# Altium PCB MiniPC.PcbDoc (part 17 of 23)
Units mm, origin at the board's own origin, x right, y up, seen from the top; angles counter-clockwise.
Board outline 175 x 155 mm, 16 copper layers (1_Top, 2_int1_(gnd), 3_int2_(power), 4_int3_(gnd), 5_int4_(sign), 6_int5_(power), 7_int6_(sign), 8_int7_(power), 9_int8_(gnd), 10_int9_(sign), 11_int10_(gnd), 12_int11_(sign), 13_int12_(gnd), 14_int13_(power), 15_int14_(gnd), 16_Bottom), stack 2.008 mm thick; 1046 components, 841 nets, 6010 pads, 4016 vias.
Unrouted connection lines stored in the file: 602.
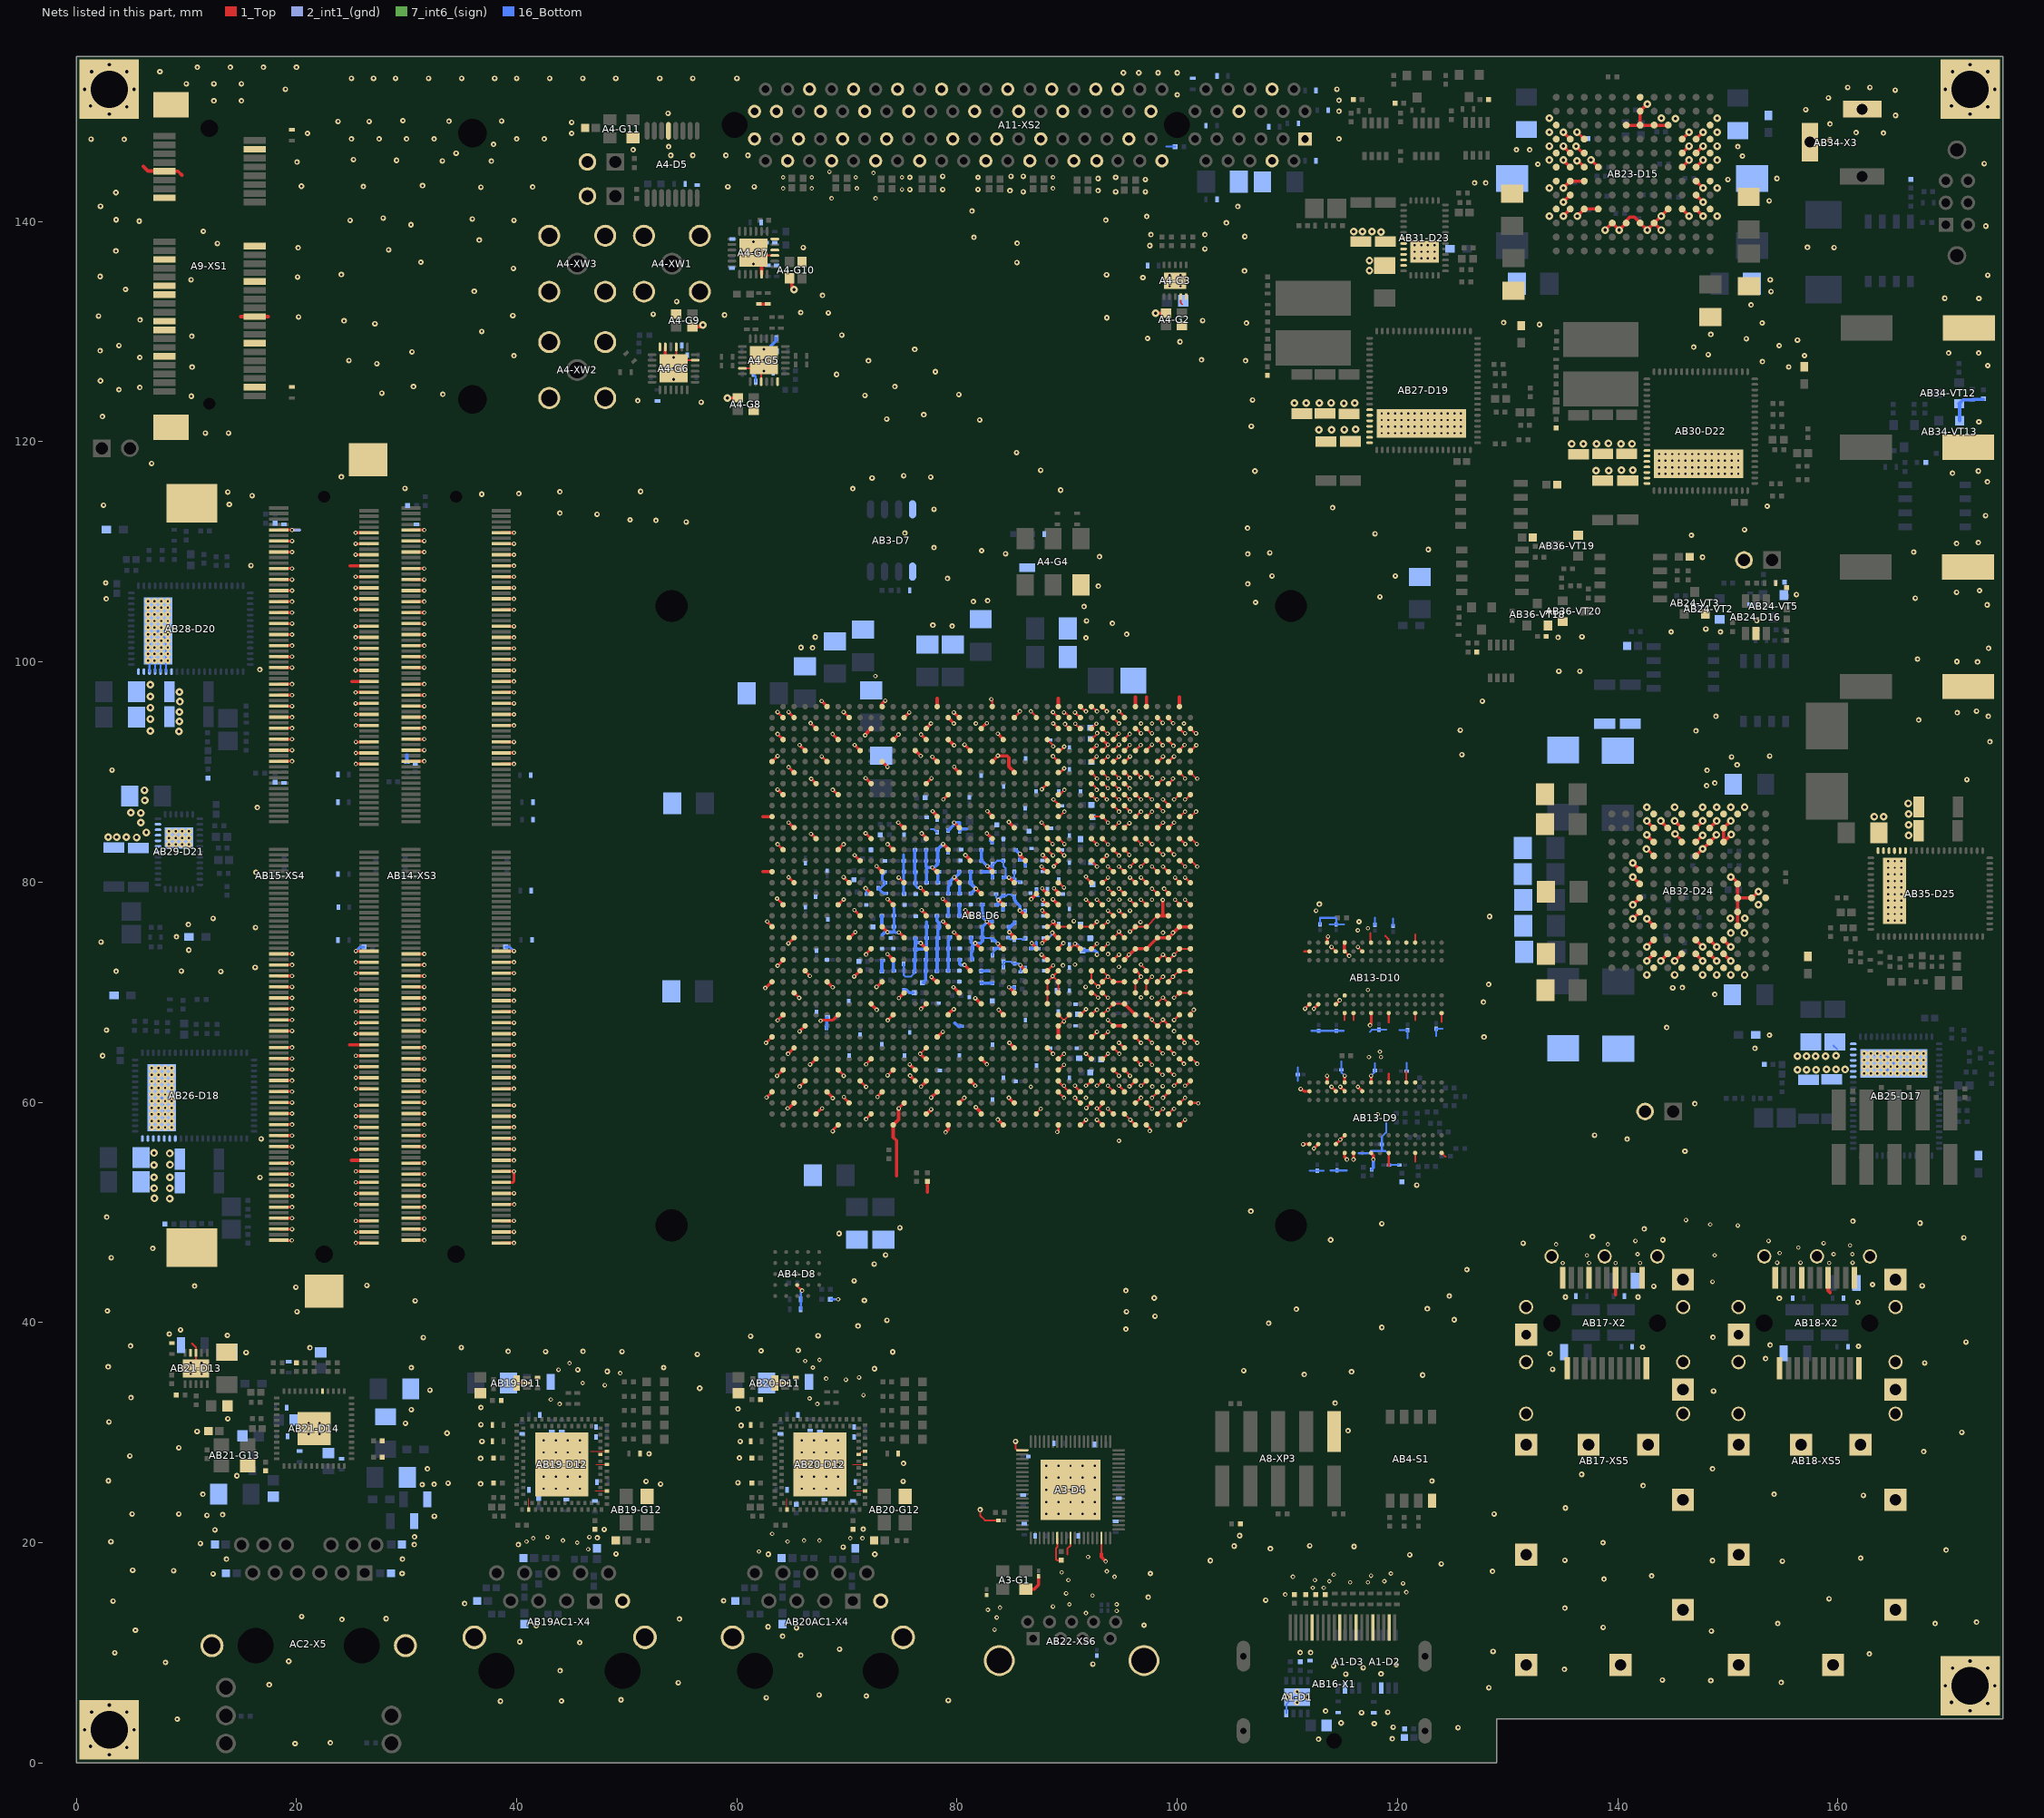
[diagram p31: the nets of this part, all layers, seen from the top]

## Via types
v1: diameter 0.4, hole 0.2, 1_Top to 16_Bottom, tented both sides, 1658 vias
v2: diameter 0.7, hole 0.3, 1_Top to 16_Bottom, tented both sides, 915 vias
v3: diameter 0.5, hole 0.2, 1_Top to 16_Bottom, tented both sides, 854 vias
v4: diameter 0.6, hole 0.2, 1_Top to 16_Bottom, 278 vias
v5: diameter 0.5, hole 0.2, 1_Top to 16_Bottom, 162 vias
v6: diameter 0.4, hole 0.2, 1_Top to 16_Bottom, 100 vias
v7: diameter 0.4/0/0/0/0/0/0/0/0/0/0/0/0/0/0/0.4 (per signal layer), hole 0.2, 1_Top to 16_Bottom, tented both sides, 18 vias
v8: diameter 0.4/0/0/0/0/0/0/0/0/0/0/0.4/0.4/0.4/0.4/0.4 (per signal layer), hole 0.2, 1_Top to 16_Bottom, tented both sides, 16 vias
v9: diameter 0.5, hole 0.254, 1_Top to 16_Bottom, 15 vias

## Nets (pads, with @x,y where several pads share a name; then routed paths per layer and width w, separated by ;. In a path a pad name is that pad's centre, name@x,y a point inside that pad or via, vN(x,y) a via of type N, cw(c..) or ccw(c..) an arc to the next point about the centre after c; other vN are vias at no path point) (continued)
GND: A1-C1.2 A1-C10.1 A1-C11.1 A1-C12.1 A1-C13.1 A1-D1.8 A1-D1.9 A1-D2.7 A1-D3.7 A1-R1.2 A1-R3.1 A1-R4.1 A1-R5.1 A1-R6.1 A1-R7.1 A3-C16.1 A3-C17.1 A3-C18.1 A3-C19.1 A3-C20.1 A3-C21.1 A3-C22.1 A3-C23.1 A3-C24.1 A3-C25.1 A3-C26.1 A3-C27.1 A3-C28.2 A3-D4.1 A3-D4.26 A3-D4.29 A3-D4.36 A3-D4.77 A3-G1.2 A3-R8.2 A4-C29.1 A4-C30.2 A4-C31.2 A4-C32.1 A4-C33.1 A4-C34.2 A4-C35.2 A4-C36.1 A4-C37.1 A4-C38.1 A4-C39.2 A4-C40.2 A4-C41.1 A4-C42.1 A4-C43.2 A4-C44.2 A4-C45.1 A4-C46.1 A4-C47.2 A4-C48.2 A4-C49.1 A4-C50.1 A4-C51.2 A4-C52.2 A4-C53.1 A4-C56.1 A4-C67.1 A4-C68.1 A4-D5.5 A4-G2.2 A4-G2.4 A4-G3.4 A4-G3.5 A4-G3.11 A4-G4.3 A4-G5.3 A4-G5.6 A4-G5.23 A4-G5.25 A4-G6.3 A4-G6.5 A4-G6.6 A4-G6.23 A4-G6.25 A4-G7.3 A4-G7.4 A4-G7.6 A4-G7.23 A4-G7.25 A4-G8.2 A4-G8.4 A4-G9.2 A4-G9.4 A4-G10.2 A4-G10.4 A4-G11.2 A4-XP1.2 A4-XP2.2 A4-XW1.2 A4-XW1.3 A4-XW1.4 A4-XW1.5 A4-XW2.2 A4-XW2.3 A4-XW2.4 A4-XW2.5 A4-XW3.2 A4-XW3.3 A4-XW3.4 A4-XW3.5 A8-R22.1 A8-XP3.10 A9-C69.1 A9-C70.2 A9-XS1.4 A9-XS1.9 A9-XS1.15 A9-XS1.18 A9-XS1.21 A9-XS1.26 A9-XS1.27 A9-XS1.29 A9-XS1.34 A9-XS1.35 A9-XS1.37 A9-XS1.40 A9-XS1.43 A9-XS1.50 A9-XS1.MP1 A9-XS1.MP2 A11-C71.1 A11-C72.1 A11-C73.1 A11-C74.1 A11-C75.1 A11-C76.1 A11-C77.1 A11-C78.1 A11-C79.1 A11-C80.1 A11-C81.1 A11-R23.2 A11-XS2.A1 A11-XS2.A4 A11-XS2.A12 A11-XS2.A15 A11-XS2.A18 A11-XS2.A20 A11-XS2.A23 A11-XS2.A24 A11-XS2.A27 A11-XS2.A28 A11-XS2.A31 A11-XS2.A34 A11-XS2.A37 A11-XS2.A38 A11-XS2.A41 A11-XS2.A42 A11-XS2.A45 A11-XS2.A46 A11-XS2.A49 A11-XS2.B4 A11-XS2.B7 A11-XS2.B13 A11-XS2.B16 A11-XS2.B18 A11-XS2.B21 A11-XS2.B22 A11-XS2.B25 A11-XS2.B26 A11-XS2.B29 A11-XS2.B32 A11-XS2.B35 A11-XS2.B36 A11-XS2.B39 A11-XS2.B40 A11-XS2.B43 A11-XS2.B44 A11-XS2.B47 A11-XS2.B49 AB1-C98.1 AB1-C99.1 AB1-C100.1 AB1-C101.1 AB1-C102.1 AB1-C103.1 AB1-C104.1 AB1-C105.1 AB1-C106.1 AB1-C107.1 AB1-C108.1 AB1-C109.1 AB1-C110.1 AB1-C111.1 AB1-C112.1 AB1-C113.1 AB1-C114.1 AB1-C115.1 AB1-C116.1 AB1-C117.1 AB1-C118.1 AB1-C119.1 AB1-C120.1 AB1-C121.1 AB1-C122.1 AB1-C123.1 AB1-C124.1 AB1-C125.1 AB1-C126.1 AB1-C127.1 AB1-C128.1 AB1-C129.1 AB1-C130.1 AB1-C131.1 AB1-C132.1 AB1-C133.1 AB1-C134.1 AB1-C135.1 AB1-C136.1 AB1-C137.1 AB1-C138.1 AB1-C139.1 AB1-C140.1 AB1-C141.1 AB1-C142.1 AB1-C143.1 AB1-C144.1 AB1-C145.1 AB1-C146.1 AB1-C147.1 AB1-C148.1 AB1-C149.1 AB1-C150.1 AB1-C151.1 AB1-C152.1 AB1-C153.1 AB1-C154.1 AB1-C155.1 AB1-C156.1 AB1-C157.1 AB1-C158.1 AB1-C159.1 AB1-C160.1 AB1-C161.1 AB1-C162.1 AB1-C163.1 AB1-C164.1 AB1-C165.1 AB1-C166.1 AB1-C167.1 AB1-C168.1 AB1-C169.1 AB1-C170.1 AB1-C171.1 AB1-C172.1 AB1-C173.1 AB1-C174.1 AB1-C175.1 AB1-C176.1 AB1-C177.1 AB1-C178.1 AB1-C179.1 AB1-C180.1 AB1-C181.1 AB1-C182.1 AB1-C183.1 AB1-C184.1 AB1-C185.1 AB1-C186.1 AB1-C187.1 AB1-C188.1 AB1-C189.1 AB1-C190.1 AB1-C191.1 AB1-C192.1 AB1-C193.1 AB1-C194.1 AB1-C195.1 AB1-C196.1 AB1-C197.1 AB1-C198.1 AB1-C199.1 AB1-C200.1 AB1-C201.1 AB1-C202.1 AB1-C203.1 AB1-C204.1 AB1-C205.1 AB1-C206.1 AB1-C207.1 AB1-C208.1 AB1-C209.1 AB1-C210.1 AB1-C211.1 AB1-C212.1 AB1-C213.1 AB1-C214.1 AB1-C215.1 AB1-C216.1 AB1-C217.1 AB1-C218.1 AB1-C219.1 AB1-C220.1 AB1-C221.1 AB1-C222.1 AB1-C223.1 AB1-C224.1 AB1-C225.1 AB1-C226.1 AB1-C227.1 AB1-C228.1 AB1-C229.1 AB2-C230.2 AB2-C231.1 AB2-C232.1 AB2-C233.1 AB2-C234.1 AB2-C235.1 AB2-C236.1 AB2-C237.1 AB2-C238.1 AB2-C239.1 AB2-C240.1 AB2-C241.1 AB2-C242.1 AB2-C243.1 AB2-C244.1 AB2-C245.1 AB2-C246.1 AB2-C247.1 AB2-C248.1 AB2-C249.1 AB2-C250.1 AB2-C251.1 AB2-C252.1 AB2-C253.1 AB2-C254.1 AB2-C255.1 AB2-C256.1 AB2-C257.1 AB2-C258.1 AB2-C259.1 AB2-C260.1 AB2-C261.1 AB2-C262.1 AB2-C263.1 AB2-C264.1 AB2-C265.1 AB2-C266.1 AB2-C267.1 AB2-C268.1 AB2-C269.1 AB2-C270.1 AB2-C271.1 AB2-C272.1 AB2-C273.1 AB2-C274.1 AB2-C275.1 AB2-C276.1 AB2-C277.1 AB2-C278.1 AB2-C279.1 AB2-C280.1 AB2-C281.1 AB2-C282.1 AB2-C283.1 AB2-C284.1 AB2-C285.1 AB2-C286.1 AB2-C287.1 AB2-C288.1 AB2-C289.1 AB2-C290.1 AB2-C291.1 AB2-C292.1 AB2-C293.1 AB2-C294.1 AB2-C295.1 AB2-C296.1 AB2-C297.1 AB2-C298.1 AB2-C299.1 AB2-C300.1 AB2-C301.1 AB2-C302.1 AB2-C303.1 AB2-C304.1 AB2-C305.1 AB2-C306.1 AB2-C307.1 AB2-C308.1 AB2-C309.1 AB2-C310.1 AB2-C311.1 AB2-C312.1 AB2-C313.1 AB2-C314.1 AB2-C315.1 AB2-C316.1 AB2-C317.1 AB2-C318.1 AB2-C319.1 AB2-C320.1 AB3-C321.1 AB3-C322.1 AB3-C323.1 AB3-C324.1 AB3-C325.1 AB3-C326.1 AB3-C327.1 AB3-C328.1 AB3-C329.1 AB3-C330.1 AB3-C331.1 AB3-C332.1 AB3-C333.1 AB3-C334.1 AB3-D7.4 AB3-D7.5 AB3-R27.1 AB3-R29.2 AB3-R31.2 AB3-R33.2 AB3-R35.2 AB3-R37.2 AB3-R39.2 AB3-R41.2 AB3-R43.2 AB3-R46.2 AB3-R48.2 AB4-C335.1 AB4-C336.1 AB4-D8.B3 AB4-R54.1 AB4-R55.1 AB4-S1.8 AB7-R63.1 AB8-D6.A6 AB8-D6.A11 AB8-D6.A16 AB8-D6.A21 AB8-D6.A27 AB8-D6.A29 AB8-D6.A30 AB8-D6.A31 AB8-D6.A34 AB8-D6.A35 AB8-D6.A38 AB8-D6.AA1 AB8-D6.AA11 AB8-D6.AA17 AB8-D6.AA21 AB8-D6.AA26 AB8-D6.AA27 AB8-D6.AA28 AB8-D6.AA29 AB8-D6.AA30 AB8-D6.AA31 AB8-D6.AA34 AB8-D6.AA35 AB8-D6.AA38 AB8-D6.AA39 AB8-D6.AB3 AB8-D6.AB8 AB8-D6.AB13 AB8-D6.AB18 AB8-D6.AB23 AB8-D6.AB26 AB8-D6.AB27 AB8-D6.AB32 AB8-D6.AB33 AB8-D6.AB36 AB8-D6.AB37 AB8-D6.AC10 AB8-D6.AC15 AB8-D6.AC20 AB8-D6.AC22 AB8-D6.AC25 AB8-D6.AC27 AB8-D6.AC28 AB8-D6.AC29 AB8-D6.AC30 AB8-D6.AC31 AB8-D6.AC34 AB8-D6.AC35 AB8-D6.AC38 AB8-D6.AC39 AB8-D6.AD2 AB8-D6.AD12 AB8-D6.AD26 AB8-D6.AD32 AB8-D6.AD33 AB8-D6.AD36 AB8-D6.AD37 AB8-D6.AE4 AB8-D6.AE9 AB8-D6.AE19 AB8-D6.AE24 AB8-D6.AE26 AB8-D6.AE27 AB8-D6.AE30 AB8-D6.AE31 AB8-D6.AE34 AB8-D6.AE35 AB8-D6.AE38 AB8-D6.AE39 AB8-D6.AF1 AB8-D6.AF6 AB8-D6.AF11 AB8-D6.AF16 AB8-D6.AF26 AB8-D6.AF27 AB8-D6.AF30 AB8-D6.AF31 AB8-D6.AF32 AB8-D6.AF33 AB8-D6.AF34 AB8-D6.AF35 AB8-D6.AF36 AB8-D6.AF37 AB8-D6.AG3 AB8-D6.AG13 AB8-D6.AG18 AB8-D6.AG23 AB8-D6.AG26 AB8-D6.AG27 AB8-D6.AG30 AB8-D6.AG31 AB8-D6.AG34 AB8-D6.AG35 AB8-D6.AG38 AB8-D6.AG39 AB8-D6.AH10 AB8-D6.AH15 AB8-D6.AH20 AB8-D6.AH26 AB8-D6.AH32 AB8-D6.AH33 AB8-D6.AH36 AB8-D6.AH37 AB8-D6.AJ2 AB8-D6.AJ7 AB8-D6.AJ12 AB8-D6.AJ17 AB8-D6.AJ22 AB8-D6.AJ27 AB8-D6.AJ28 AB8-D6.AJ29 AB8-D6.AJ30 AB8-D6.AJ31 AB8-D6.AJ34 AB8-D6.AJ35 AB8-D6.AJ38 AB8-D6.AJ39 AB8-D6.AK4 AB8-D6.AK27 AB8-D6.AK32 AB8-D6.AK33 AB8-D6.AK36 AB8-D6.AK37 AB8-D6.AL1 AB8-D6.AL16 AB8-D6.AL27 AB8-D6.AL30 AB8-D6.AL31 AB8-D6.AL34 AB8-D6.AL35 AB8-D6.AL38 AB8-D6.AL39 AB8-D6.AM3 AB8-D6.AM15 AB8-D6.AM23 AB8-D6.AM26 AB8-D6.AM32 AB8-D6.AM33 AB8-D6.AM36 AB8-D6.AM37 AB8-D6.AN5 AB8-D6.AN10 AB8-D6.AN15 AB8-D6.AN20 AB8-D6.AN27 AB8-D6.AN30 AB8-D6.AN31 AB8-D6.AN34 AB8-D6.AN35 AB8-D6.AN38 AB8-D6.AN39 AB8-D6.AP2 AB8-D6.AP7 AB8-D6.AP12 AB8-D6.AP14 AB8-D6.AP27 AB8-D6.AP32 AB8-D6.AP33 AB8-D6.AP36 AB8-D6.AP37 AB8-D6.AR4 AB8-D6.AR9 AB8-D6.AR14 AB8-D6.AR15 AB8-D6.AR19 AB8-D6.AR27 AB8-D6.AR30 AB8-D6.AR31 AB8-D6.AR34 AB8-D6.AR35 AB8-D6.AR38 AB8-D6.AR39 AB8-D6.AT1 AB8-D6.AT6 AB8-D6.AT11 AB8-D6.AT16 AB8-D6.AT27 AB8-D6.AT28 AB8-D6.AT29 AB8-D6.AT32 AB8-D6.AT33 AB8-D6.AT36 AB8-D6.AT37 AB8-D6.AU3 AB8-D6.AU8 AB8-D6.AU13 AB8-D6.AU18 AB8-D6.AU23 AB8-D6.AU29 AB8-D6.AU30 AB8-D6.AU31 AB8-D6.AU34 AB8-D6.AU35 AB8-D6.AU38 AB8-D6.AU39 AB8-D6.AV5 AB8-D6.AV10 AB8-D6.AV15 AB8-D6.AV20 AB8-D6.AV25 AB8-D6.AV31 AB8-D6.AV32 AB8-D6.AV33 AB8-D6.AV36 AB8-D6.AV37 AB8-D6.AW7 AB8-D6.AW12 AB8-D6.AW17 AB8-D6.AW22 AB8-D6.AW27 AB8-D6.AW29 AB8-D6.AW31 AB8-D6.AW34 AB8-D6.AW35 AB8-D6.AW38 AB8-D6.B2 AB8-D6.B3 AB8-D6.B8 AB8-D6.B13 AB8-D6.B17 AB8-D6.B18 AB8-D6.B23 AB8-D6.B25 AB8-D6.B27 AB8-D6.B28 AB8-D6.B29 AB8-D6.B32 AB8-D6.B33 AB8-D6.B36 AB8-D6.B37 AB8-D6.C5 AB8-D6.C10 AB8-D6.C15 AB8-D6.C20 AB8-D6.C27 AB8-D6.C28 AB8-D6.C29 AB8-D6.C30 AB8-D6.C31 AB8-D6.C34 AB8-D6.C35 AB8-D6.C38 AB8-D6.C39 AB8-D6.D2 AB8-D6.D7 AB8-D6.D12 AB8-D6.D15 AB8-D6.D17 AB8-D6.D22 AB8-D6.D26 AB8-D6.D30 AB8-D6.D31 AB8-D6.D32 AB8-D6.D33 AB8-D6.D36 AB8-D6.D37 AB8-D6.E4 AB8-D6.E9 AB8-D6.E14 AB8-D6.E19 AB8-D6.E27 AB8-D6.E30 AB8-D6.E31 AB8-D6.E32 AB8-D6.E33 AB8-D6.E34 AB8-D6.E35 AB8-D6.E38 AB8-D6.E39 AB8-D6.F1 AB8-D6.F6 AB8-D6.F11 AB8-D6.F16 AB8-D6.F21 AB8-D6.F27 AB8-D6.F30 AB8-D6.F31 AB8-D6.F32 AB8-D6.F33 AB8-D6.F36 AB8-D6.F37 AB8-D6.G3 AB8-D6.G18 AB8-D6.G23 AB8-D6.G27 AB8-D6.G30 AB8-D6.G31 AB8-D6.G32 AB8-D6.G33 AB8-D6.G34 AB8-D6.G35 AB8-D6.G38 AB8-D6.G39 AB8-D6.H5 AB8-D6.H10 AB8-D6.H15 AB8-D6.H26 AB8-D6.H30 AB8-D6.H31 AB8-D6.H32 AB8-D6.H33 AB8-D6.H36 AB8-D6.H37 AB8-D6.J2 AB8-D6.J7 AB8-D6.J17 AB8-D6.J27 AB8-D6.J30 AB8-D6.J31 AB8-D6.J32 AB8-D6.J33 AB8-D6.J34 AB8-D6.J35 AB8-D6.J38 AB8-D6.J39 AB8-D6.K27 AB8-D6.K32 AB8-D6.K33 AB8-D6.K36 AB8-D6.K37 AB8-D6.L1 AB8-D6.L16 AB8-D6.L21 AB8-D6.L27 AB8-D6.L30 AB8-D6.L31 AB8-D6.L34 AB8-D6.L35 AB8-D6.L38 AB8-D6.L39 AB8-D6.M3 AB8-D6.M13 AB8-D6.M18 AB8-D6.M23 AB8-D6.M26 AB8-D6.M32 AB8-D6.M33 AB8-D6.M36 AB8-D6.M37 AB8-D6.N5 AB8-D6.N10 AB8-D6.N15 AB8-D6.N21 AB8-D6.N26 AB8-D6.N27 AB8-D6.N30 AB8-D6.N31 AB8-D6.N34 AB8-D6.N35 AB8-D6.N38 AB8-D6.N39 AB8-D6.P2 AB8-D6.P7 AB8-D6.P12 AB8-D6.P17 AB8-D6.P26 AB8-D6.P27 AB8-D6.P32 AB8-D6.P33 AB8-D6.P36 AB8-D6.P37 AB8-D6.R9 AB8-D6.R19 AB8-D6.R24 AB8-D6.R26 AB8-D6.R27 AB8-D6.R30 AB8-D6.R31 AB8-D6.R34 AB8-D6.R35 AB8-D6.R38 AB8-D6.R39 AB8-D6.T1 AB8-D6.T11 AB8-D6.T16 AB8-D6.T21 AB8-D6.T26 AB8-D6.T32 AB8-D6.T33 AB8-D6.T36 AB8-D6.T37 AB8-D6.U3 AB8-D6.U8 AB8-D6.U13 AB8-D6.U18 AB8-D6.U23 AB8-D6.U27 AB8-D6.U30 AB8-D6.U31 AB8-D6.U34 AB8-D6.U35 AB8-D6.U38 AB8-D6.U39 AB8-D6.V10 AB8-D6.V15 AB8-D6.V20 AB8-D6.V25 AB8-D6.V26 AB8-D6.V27 AB8-D6.V32 AB8-D6.V33 AB8-D6.V36 AB8-D6.V37 AB8-D6.W2 AB8-D6.W7 AB8-D6.W12 AB8-D6.W17 AB8-D6.W22 AB8-D6.W26 AB8-D6.W27 AB8-D6.W30 AB8-D6.W31 AB8-D6.W34 AB8-D6.W35 AB8-D6.W38 AB8-D6.W39 AB8-D6.Y9 AB8-D6.Y15 AB8-D6.Y19 AB8-D6.Y24 AB8-D6.Y26 AB8-D6.Y32 AB8-D6.Y33 AB8-D6.Y36 AB8-D6.Y37 AB13-C337.1 AB13-C338.1 AB13-C339.1 AB13-C340.1 AB13-C341.1 AB13-C342.1 AB13-C343.1 AB13-C344.1 AB13-C345.1 AB13-C346.1 AB13-C347.1 AB13-C348.1 AB13-C349.1 AB13-C350.1 AB13-C351.1 AB13-C352.1 AB13-C353.1 AB13-C354.1 AB13-C355.1 AB13-D9.A2 AB13-D9.A8 AB13-D9.B2 AB13-D9.C9 AB13-D9.D2 AB13-D9.D8 AB13-D9.E1 AB13-D9.E3 AB13-D9.E8 AB13-D9.E9 AB13-D9.F1 AB13-D9.G8 AB13-D9.H1 AB13-D9.H9 AB13-D9.K1 AB13-D9.K9 AB13-D9.M9 AB13-D9.N1 AB13-D9.N9 AB13-D9.T1 AB13-D10.A2 AB13-D10.A8 AB13-D10.B2 AB13-D10.C9 AB13-D10.D2 AB13-D10.D8 AB13-D10.E1 AB13-D10.E3 AB13-D10.E8 AB13-D10.E9 AB13-D10.F1 AB13-D10.G8 AB13-D10.H1 AB13-D10.H9 AB13-D10.K1 AB13-D10.K9 AB13-D10.M9 AB13-D10.N1 AB13-D10.N9 AB13-D10.T1 AB13-R79.1 AB14-C356.1 AB14-C357.2 AB14-C358.2 AB14-C359.2 AB14-C360.2 AB14-C361.2 AB14-C362.2 AB14-R83.1 AB14-R84.1 AB14-R86.1 AB14-XS3.1 AB14-XS3.2 AB14-XS3.5 AB14-XS3.6 AB14-XS3.9 AB14-XS3.10 AB14-XS3.14 AB14-XS3.15 AB14-XS3.18 AB14-XS3.19 AB14-XS3.22 AB14-XS3.23 AB14-XS3.26 AB14-XS3.27 AB14-XS3.30 AB14-XS3.31 AB14-XS3.35 AB14-XS3.36 AB14-XS3.39 AB14-XS3.40 AB14-XS3.43 AB14-XS3.44 AB14-XS3.47 AB14-XS3.48 AB14-XS3.51 AB14-XS3.52 AB14-XS3.56 AB14-XS3.57 AB14-XS3.60 AB14-XS3.61 AB14-XS3.64 AB14-XS3.65 AB14-XS3.68 AB14-XS3.69 AB14-XS3.72 AB14-XS3.73 AB14-XS3.77 AB14-XS3.78 AB14-XS3.81 AB14-XS3.82 AB14-XS3.85 AB14-XS3.86 AB14-XS3.89 AB14-XS3.90 AB14-XS3.93 AB14-XS3.94 AB14-XS3.98 AB14-XS3.99 AB14-XS3.102 AB14-XS3.103 AB14-XS3.106 AB14-XS3.107 AB14-XS3.167 AB14-XS3.168 AB14-XS3.171 AB14-XS3.172 AB14-XS3.175 AB14-XS3.176 AB14-XS3.180 AB14-XS3.181 AB14-XS3.184 AB14-XS3.185 AB14-XS3.188 AB14-XS3.189 AB14-XS3.192 AB14-XS3.193 AB14-XS3.196 AB14-XS3.197 AB14-XS3.201 AB14-XS3.202 AB14-XS3.205 AB14-XS3.206 AB14-XS3.209 AB14-XS3.210 AB14-XS3.213 AB14-XS3.214 AB14-XS3.217 AB14-XS3.218 AB14-XS3.222 AB14-XS3.223 AB14-XS3.226 AB14-XS3.227 AB14-XS3.230 AB14-XS3.231 AB14-XS3.234 AB14-XS3.235 AB14-XS3.238 AB14-XS3.239 AB14-XS3.243 AB14-XS3.244 AB14-XS3.247 AB14-XS3.248 AB14-XS3.251 AB14-XS3.252 AB14-XS3.MP1 AB14-XS3.MP2 AB15-C363.2 AB15-C364.2 AB15-C365.2 AB15-C366.2 AB15-C367.2 AB15-C368.2 AB15-C369.2 AB15-R88.1 AB15-R89.1 AB15-R91.1 AB15-XS4.1 AB15-XS4.2 AB15-XS4.5 AB15-XS4.6 AB15-XS4.9 AB15-XS4.10 AB15-XS4.14 AB15-XS4.15 AB15-XS4.18 AB15-XS4.19 AB15-XS4.22 AB15-XS4.23 AB15-XS4.26 AB15-XS4.27 AB15-XS4.30 AB15-XS4.31 AB15-XS4.35 AB15-XS4.36 AB15-XS4.39 AB15-XS4.40 AB15-XS4.43 AB15-XS4.44 AB15-XS4.47 AB15-XS4.48 AB15-XS4.51 AB15-XS4.52 AB15-XS4.56 AB15-XS4.57 AB15-XS4.60 AB15-XS4.61 AB15-XS4.64 AB15-XS4.65 AB15-XS4.68 AB15-XS4.69 AB15-XS4.72 AB15-XS4.73 AB15-XS4.77 AB15-XS4.78 AB15-XS4.81 AB15-XS4.82 AB15-XS4.85 AB15-XS4.86 AB15-XS4.89 AB15-XS4.90 AB15-XS4.93 AB15-XS4.94 AB15-XS4.98 AB15-XS4.99 AB15-XS4.102 AB15-XS4.103 AB15-XS4.106 AB15-XS4.107 AB15-XS4.167 AB15-XS4.168 AB15-XS4.171 AB15-XS4.172 AB15-XS4.175 AB15-XS4.176 AB15-XS4.180 AB15-XS4.181 AB15-XS4.184 AB15-XS4.185 AB15-XS4.188 AB15-XS4.189 AB15-XS4.192 AB15-XS4.193 AB15-XS4.196 AB15-XS4.197 AB15-XS4.201 AB15-XS4.202 AB15-XS4.205 AB15-XS4.206 AB15-XS4.209 AB15-XS4.210 AB15-XS4.213 AB15-XS4.214 AB15-XS4.217 AB15-XS4.218 AB15-XS4.222 AB15-XS4.223 AB15-XS4.226 AB15-XS4.227 AB15-XS4.230 AB15-XS4.231 AB15-XS4.234 AB15-XS4.235 AB15-XS4.238 AB15-XS4.239 AB15-XS4.243 AB15-XS4.244 AB15-XS4.247 AB15-XS4.248 AB15-XS4.251 AB15-XS4.252 AB15-XS4.MP1 AB15-XS4.MP2 AB16-X1.2 AB16-X1.5 AB16-X1.8 AB16-X1.11 AB16-X1.16 AB17-C370.1 AB17-C371.1 AB17-C372.1 AB17-C373.1 AB17-C374.1 AB17-X2.1 AB17-X2.10 AB17-X2.11 AB17-X2.14 AB17-X2.17 AB17-X2.20 AB17-XS5.1 AB17-XS5.2 AB17-XS5.3 AB17-XS5.4 AB17-XS5.5 AB17-XS5.6 AB17-XS5.7 AB17-XS5.8 AB17-XS5.9 AB17-XS5.10 AB17-XS5.11 AB17-XS5.12 AB17-XS5.13 AB17-XS5.14 AB17-XS5.15 AB17-XS5.16 AB17-XS5.17 AB17-XS5.18 AB17-XS5.19 AB17-XS5.20 AB18-C370.1 AB18-C371.1 AB18-C372.1 AB18-C373.1 AB18-C374.1 AB18-X2.1 AB18-X2.10 AB18-X2.11 AB18-X2.14 AB18-X2.17 AB18-X2.20 AB18-XS5.1 AB18-XS5.2 AB18-XS5.3 AB18-XS5.4 AB18-XS5.5 AB18-XS5.6 AB18-XS5.7 AB18-XS5.8 AB18-XS5.9 AB18-XS5.10 AB18-XS5.11 AB18-XS5.12 AB18-XS5.13 AB18-XS5.14 AB18-XS5.15 AB18-XS5.16 AB18-XS5.17 AB18-XS5.18 AB18-XS5.19 AB18-XS5.20 AB19-C375.1 AB19-C378.1 AB19-C379.1 AB19-C380.1 AB19-C381.1 AB19-C382.1 AB19-C383.1 AB19-C384.1 AB19-C385.1 AB19-C386.1 AB19-C387.2 AB19-C388.1 AB19-C389.1 AB19-C391.1 AB19-C392.1 AB19-C394.2 AB19-C395.1 AB19-C396.1 AB19-C397.1 AB19-C398.1 AB19-C399.2 AB19-C400.2 AB19-D11.2 AB19-D11.7 AB19-D12.A15 AB19-D12.A29 AB19-D12.A33 AB19-D12.A35 AB19-D12.B30 AB19-D12.B45 AB19-G12.2 AB19-R94.2 AB19-R95.2 AB19-R97.1 AB19-R98.1 AB19-R101.1 AB19AC1-X4.10 AB19AC1-X4.S1 AB19AC1-X4.S2 AB20-C375.1 AB20-C378.1 AB20-C379.1 AB20-C380.1 AB20-C381.1 AB20-C382.1 AB20-C383.1 AB20-C384.1 AB20-C385.1 AB20-C386.1 AB20-C387.2 AB20-C388.1 AB20-C389.1 AB20-C391.1 AB20-C392.1 AB20-C394.2 AB20-C395.1 AB20-C396.1 AB20-C397.1 AB20-C398.1 AB20-C399.2 AB20-C400.2 AB20-D11.2 AB20-D11.7 AB20-D12.A15 AB20-D12.A29 AB20-D12.A33 AB20-D12.A35 AB20-D12.B30 AB20-D12.B45 AB20-G12.2 AB20-R94.2 AB20-R95.2 AB20-R97.1 AB20-R98.1 AB20-R101.1 AB20AC1-X4.10 AB20AC1-X4.S1 AB20AC1-X4.S2 AB21-C401.1 AB21-C402.1 AB21-C403.1 AB21-C404.1 AB21-C405.1 AB21-C406.1 AB21-C407.2 AB21-C408.1 AB21-C409.1 AB21-C410.1 AB21-C411.1 AB21-C412.1 AB21-C413.1 AB21-C414.1 AB21-C415.1 AB21-C416.1 AB21-C417.1 AB21-C418.1 AB21-C419.1 AB21-C420.1 AB21-C421.1 AB21-C422.1 AB21-D13.3 AB21-D13.4 AB21-D13.11 AB21-D14.29 AB21-D14.49 AB21-G13.2 AB21-R124.1 AB21-R126.2 AB21-R132.2 AB21-R133.2 AB21-R134.2 AB22-XS6.10 AB22-XS6.11 AB23-C423.1 AB23-C424.1 AB23-C425.1 AB23-C426.1 AB23-C428.1 AB23-C429.1 AB23-C431.1 AB23-C432.1 AB23-C433.2 AB23-C434.1 AB23-C435.2 AB23-D15.A4 AB23-D15.A6 AB23-D15.A7 AB23-D15.A8 AB23-D15.A9 AB23-D15.A10 AB23-D15.B4 AB23-D15.B5 AB23-D15.B6 AB23-D15.B7 AB23-D15.B8 AB23-D15.B9 AB23-D15.C4 AB23-D15.C6 AB23-D15.C7 AB23-D15.C8 AB23-D15.C9 AB23-D15.D4 AB23-D15.D7 AB23-D15.E3 AB23-D15.F3 AB23-D15.F10 AB23-D15.G3 AB23-D15.G10 AB23-D15.G11 AB23-D15.G12 AB23-D15.H3 AB23-D15.H10 AB23-D15.J4 AB23-D15.J10 AB23-D15.K4 AB23-D15.K7 AB23-D15.K8 AB23-D15.K9 AB23-D15.L4 AB23-D15.L5 AB23-D15.L6 AB23-D15.L7 AB23-D15.L8 AB23-D15.L9 AB23-D15.M4 AB23-D15.M6 AB23-D15.M7 AB23-D15.M8 AB23-D15.M9 AB23-D15.M10 AB23-L15.1 AB23-R136.2 AB24-C436.1 AB24-C437.1 AB24-C438.1 AB24-C439.1 AB24-C440.1 AB24-C442.1 AB24-D16.2 AB24-R157.1 AB24-R164.1 AB24-VT2.2 AB24-VT3.2 AB24-VT5.2 AB24-XP4.2 AB25-C443.1 AB25-C444.1 AB25-C447.1 AB25-C448.1 AB25-D17.28 AB25-D17.29 AB25-D17.30 AB25-D17.31 AB25-D17.32 AB25-D17.33 AB25-D17.34 AB25-D17.69 AB25-L16.1 AB25-R182.1 AB26-C452.1 AB26-C453.1 AB26-C456.1 AB26-C457.1 AB26-D18.28 AB26-D18.29 AB26-D18.30 AB26-D18.31 AB26-D18.32 AB26-D18.33 AB26-D18.34 AB26-D18.69 AB26-L17.1 AB26-R196.1 AB27-C461.1 AB27-C462.1 AB27-C466.1 AB27-C467.1 AB27-C468.1 AB27-D19.32 AB27-D19.33 AB27-D19.34 AB27-D19.35 AB27-D19.36 AB27-D19.37 AB27-D19.38 AB27-D19.77 AB27-L18.1 AB27-R209.1 AB28-C471.1 AB28-C472.1 AB28-C476.1 AB28-C477.1 AB28-D20.28 AB28-D20.29 AB28-D20.30 AB28-D20.31 AB28-D20.32 AB28-D20.33 AB28-D20.34 AB28-D20.69 AB28-L19.1 AB28-R225.1 AB29-C480.1 AB29-C482.1 AB29-C483.1 AB29-D21.13 AB29-D21.14 AB29-D21.15 AB29-D21.16 AB29-D21.17 AB29-D21.18 AB29-D21.39 AB29-L20.1 AB30-C486.1 AB30-C487.1 AB30-C490.1 AB30-C491.1 AB30-C492.1 AB30-D22.32 AB30-D22.33 AB30-D22.34 AB30-D22.35 AB30-D22.36 AB30-D22.37 AB30-D22.38 AB30-D22.77 AB30-L21.1 AB30-R246.1 AB31-C496.1 AB31-C498.1 AB31-C499.1 AB31-D23.13 AB31-D23.14 AB31-D23.15 AB31-D23.16 AB31-D23.17 AB31-D23.18 AB31-D23.39 AB31-L22.1 AB32-C502.1 AB32-C503.1 AB32-C504.1 AB32-C505.1 AB32-C507.1 AB32-C508.1 AB32-C509.1 AB32-C510.1 AB32-C511.2 AB32-C512.1 AB32-C513.2 AB32-C514.1 AB32-C515.2 AB32-C516.2 AB32-D24.A4 AB32-D24.A6 AB32-D24.A7 AB32-D24.A8 AB32-D24.A9 AB32-D24.A10 AB32-D24.B4 AB32-D24.B5 AB32-D24.B6 AB32-D24.B7 AB32-D24.B8 AB32-D24.B9 AB32-D24.C4 AB32-D24.C6 AB32-D24.C7 AB32-D24.C8 AB32-D24.C9 AB32-D24.D4 AB32-D24.D7 AB32-D24.E3 AB32-D24.F3 AB32-D24.F10 AB32-D24.G3 AB32-D24.G10 AB32-D24.G11 AB32-D24.G12 AB32-D24.H3 AB32-D24.H10 AB32-D24.J4 AB32-D24.J10 AB32-D24.K4 AB32-D24.K7 AB32-D24.K8 AB32-D24.K9 AB32-D24.L4 AB32-D24.L5 AB32-D24.L6 AB32-D24.L7 AB32-D24.L8 AB32-D24.L9 AB32-D24.M4 AB32-D24.M6 AB32-D24.M7 AB32-D24.M8 AB32-D24.M9 AB32-D24.M10 AB32-L23.1 AB33-R272.1 AB33-R275.1 AB33-R276.1 AB34-C520.1 AB34-C521.2 AB34-C522.2 AB34-C523.2 AB34-C524.2 AB34-R279.1 AB34-R285.1 AB34-R290.1 AB34-VT12.2 AB34-VT13.2 AB34-X3.2 AB34-X3.3 AB34-XP7.2 AB35-C530.1 AB35-C533.1 AB35-C534.1 AB35-D25.29 AB35-D25.30 AB35-D25.31 AB35-D25.32 AB35-D25.33 AB35-D25.34 AB35-D25.69 AB35-L24.1 AB36-C538.1 AB36-C539.1 AB36-R303.1 AB36-R309.1 AB36-VT18.2 AB36-VT19.2 AB36-VT20.2 AC2-C540.1 AC2-C541.1 AC2-C542.1 AC2-C543.1 AC2-X5.S1 AC2-X5.S2 MH1.MH1 MH2.MH1 MH3.MH1 MH4.MH1 | length 871.6
  1_Top w0.1: AB19-D12.A15@41.1,23 41.1,24 ; 46.7,28.3 AB19-D12.A35@48.2,28.3 ; 47.1,24.7 AB19-D12.A29@48.2,24.7 ; 47.2,27.1 AB19-D12.A33@48.2,27.1 ; 64.5,24 64.55,23.95 AB20-D12.A15@64.55,23 ; 70.5,27.1 AB20-D12.A33@71.65,27.1 ; 70.6,24.7 AB20-D12.A29@71.65,24.7 ; AB20-D12.B30@71.05,28 71.35,28.3 AB20-D12.A35@71.65,28.3
  1_Top w0.17: 10.5,38.1 10.887,37.713 AB21-D13.3@10.887,37.25 AB21-D13.11@10.887,35.825 ; v9(54.25,126.65) A4-G6.25@54.5,126.9 ; A4-G6.3@54.5,128.6 A4-G6.25@54.5,126.9 ; A4-G6.23@56.2,127.4 55,127.4 A4-G6.25@54.5,126.9 ; A4-G5.23@60.5,126.65 61.7,126.65 A4-G5.25@62.2,127.15 ; v9(61.495,137.15) 61.745,136.9 A4-G7.3@63.445,136.9 ; A4-G5.3@62.2,125.45 A4-G5.25@62.2,127.15 ; v9(62.45,127.4) A4-G5.25@62.2,127.15 ; v1(76.65,64.4) 77.189,64.939 AB8-D6.AM15@77.194,64.939 ; v3(82.1,23) 82,23 82.1,22.9 82.1,22.45 82.525,22.025 A3-C16.1@83.74,22.025 ; v3(85.3,29.2) 85.3,28.55 85.45,28.4 A3-D4.1@85.925,28.4 ; AB8-D6.AV25@87.194,58.939 87.194,58.994 v1(87.6,59.4) ; AB8-D6.AH26@88.194,68.939 AB8-D6.AG26@88.194,69.939 AB8-D6.AF26@88.194,70.939 ; AB8-D6.AA26@88.194,75.939 88.314,75.939 v1@88.725,76.35 ; v1(88.679,71.453) 88.692,71.453 88.708,71.453 AB8-D6.AE27@89.194,71.939 ; v1@88.694,71.439 89.194,70.939 AB8-D6.AG27@89.194,69.939 ; A3-D4.26@89.1,20.425 89.1,19.607 89.015,19.522 89.015,19.515 89,19.5 89,18.475 89.075,18.4 A3-R8.2@89.475,18.4 ; AB8-D6.AK27@89.194,66.939 89.655,67.4 v1(89.71,67.345) 89.71,67.423 89.7,67.433 89.7,67.445 AB8-D6.AJ28@90.194,67.939 ; AB8-D6.AA27@89.194,75.939 AB8-D6.AA28@90.194,75.939 ; 90,18.925 90,19.429 90.3,19.729 A3-D4.29@90.3,20.425 ; AB8-D6.AA29@91.194,75.939 AB8-D6.AA30@92.194,75.939 ; AB8-D6.AF30@92.194,70.939 AB8-D6.AE30@92.194,71.939 ; AB8-D6.L30@92.194,85.939 AB8-D6.L31@93.194,85.939 ; v1(92.8,70.5) 93.194,70.894 AB8-D6.AF31@93.194,70.939 ; 93.1,19 A3-D4.36@93.1,20.425 ; AB8-D6.AE31@93.194,71.939 93.7,71.433 v1(93.7,71.4) 93.733,71.4 AB8-D6.AF32@94.194,70.939 AB8-D6.AF33@95.194,70.939 ; v1@93.655,68.4 AB8-D6.AH32@94.194,68.939 AB8-D6.AH33@95.194,68.939 ; AB8-D6.AB32@94.194,74.939 94.206,74.939 v1@94.7,75.433 ; AB8-D6.AV33@95.194,58.939 v1(95.733,58.4) ; AB8-D6.AG34@96.194,69.939 AB8-D6.AF34@96.194,70.939 96.239,70.939 v1(96.7,71.4) ; AB8-D6.AA34@96.194,75.939 AB8-D6.AA35@97.194,75.939 AB8-D6.Y36@98.194,76.939 ; AB8-D6.AG35@97.194,69.939 AB8-D6.AF35@97.194,70.939 ; v1(97.7,67.5) 97.7,67.433 AB8-D6.AK36@98.194,66.939 98.7,67.445 v1(98.7,67.5) ; AB8-D6.AV36@98.194,58.939 98.239,58.939 v1(98.7,59.4) ; AB8-D6.AH36@98.194,68.939 98.194,68.994 v1(98.7,69.5) ; v1(98.7,73.4) 98.733,73.4 AB8-D6.AD37@99.194,72.939 ; AB8-D6.AV37@99.194,58.939 99.655,59.4 v1(99.7,59.4) ; v1(99.6,71.4) 100.139,71.939 AB8-D6.AE38@100.194,71.939 AB8-D6.AE39@101.194,71.939 ; v1(99.7,73.4) 100.194,73.894 AB8-D6.AC38@100.194,73.939 AB8-D6.AC39@101.194,73.939 ; AB8-D6.AW38@100.194,57.939 100.655,58.4 v1(100.7,58.4) ; AB8-D6.AG38@100.194,69.939 AB8-D6.AG39@101.194,69.939 ; A4-G3.4@100.3,133.175 100.3,132.6 100.45,132.45 ; 111.5,73.7 AB13-D10.A8@112,73.7 ; v1(114,74.1) AB13-D10.D8@114.4,73.7 ; 115.2,67.45 AB13-D10.E1@115.2,68.1 ; AB13-D10.E8@115.2,73.7 v1(115.6,73.3) ; 116,67.475 AB13-D10.F1@116,68.1 ; v1(116.4,74.1) AB13-D10.G8@116.8,73.7 ; 117.515,75.385 117.515,74.585 AB13-D10.H9@117.6,74.5 ; 118.9,75.1 119.165,74.835 119.165,74.535 AB13-D10.K9@119.2,74.5 ; 119.2,54.2 AB13-D9.K1@119.2,55.4 ; AB13-D9.K9@119.2,61.8 119.2,62.575 ; 119.2,67.25 AB13-D10.K1@119.2,68.1 ; AB13-D9.M9@120.8,61.8 120.8,62.8 ; 121.6,54.6 AB13-D9.N1@121.6,55.4 ; 121.6,67.45 AB13-D10.N1@121.6,68.1 ; AB13-D10.N9@121.6,74.5 121.6,75.225 ; AB13-D9.T1@124,55.4 124.35,55.05 ; 124,67.3 AB13-D10.T1@124,68.1